# Allegro board 8880F5-0827_6.brd (continued)
## Routing (per net, layer and track width the routed paths; a pad name or vN(x,y) marks a point on that pad's centre or on a via; arc(x,y) is an arc through that point) (continued)
; D102.B2 309.88,82.09 ; D102.B2 309.88,80.47 ; D102.B2 309.07,81.28 ; D102.B2 310.69,81.28 ; 416.56,32.21 D108.A15 ; D108.A15 417.37,33.02 ; D108.A15 416.56,33.83 ; D108.A15 415.75,33.02 ; D127.A11 38.1,54.15 ; D127.A11 38.1,52.53 ; D127.A11 37.29,53.34 ; D127.A11 38.91,53.34 ; D119.A7 176.07,53.34 ; D119.A7 175.26,52.53 ; D119.A7 174.45,53.34 ; D119.A7 175.26,54.15 ; D104.B3 313.23,38.1 ; D104.B3 312.42,38.91 ; D104.B3 312.42,37.29 ; D104.B3 311.61,38.1 ; D131.A11 112.57,53.34 ; D131.A11 111.76,52.53 ; D131.A11 110.95,53.34 ; D131.A11 111.76,54.15 ; D102.B6 320.04,82.09 ; D102.B6 320.85,81.28 ; D102.B6 319.23,81.28 ; D102.B6 320.04,80.47 ; D109.A12 393.7,333.55 ; D109.A12 393.7,331.93 ; D109.A12 392.89,332.74 ; D109.A12 394.51,332.74 ; D321.B16 271.78,92.15 ; D321.B16 272.49,91.44 ; D321.B16 271.07,91.44 ; D321.B16 271.78,90.73 ; 332.33,187.45 SITE4.G11 ; SITE4.G11 332.33,188.41 ; SITE4.G11 331.85,187.93 ; SITE4.G11 332.81,187.93 ; 331.93,53.34 D103.A11 ; D103.A11 332.74,54.15 ; D103.A11 333.55,53.34 ; D103.A11 332.74,52.53 ; 193.04,34.75 D120.A14 ; D120.A14 192.23,35.56 ; D120.A14 193.04,36.37 ; D120.A14 193.85,35.56 ; D116.A13 317.5,397.05 ; D116.A13 318.31,396.24 ; D116.A13 317.5,395.43 ; D116.A13 316.69,396.24 ; D115.B14 315.77,368.3 ; D115.B14 314.96,367.49 ; D115.B14 314.96,369.11 ; D115.B14 314.15,368.3 ; D118.B4 167.64,82.09 ; D118.B4 166.83,81.28 ; D118.B4 167.64,80.47 ; D118.B4 168.45,81.28 ; D116.B11 322.58,391.97 ; D116.B11 323.39,391.16 ; D116.B11 321.77,391.16 ; D116.B11 322.58,390.35 ; 19.51,76.2 D126.A4 ; D126.A4 21.13,76.2 ; D126.A4 20.32,77.01 ; D126.A4 20.32,75.39 ; 393.7,39.83 D108.B6 ; D108.B6 392.89,40.64 ; D108.B6 393.7,41.45 ; D108.B6 394.51,40.64 ; SITE1.G16 252.63,243.31 ; SITE1.G16 252.63,242.35 ; SITE1.G16 252.15,242.83 ; SITE1.G16 253.11,242.83 ; D108.A9 401.32,33.83 ; D108.A9 400.51,33.02 ; D108.A9 402.13,33.02 ; D108.A9 401.32,32.21 ; D103.B9 328.47,58.42 ; D103.B9 327.66,59.23 ; D103.B9 326.85,58.42 ; D103.B9 327.66,57.61 ; D132.B14 120.19,40.64 ; D132.B14 119.38,39.83 ; D132.B14 119.38,41.45 ; D132.B14 118.57,40.64 ; D120.B1 160.83,38.1 ; D120.B1 159.21,38.1 ; D120.B1 160.02,38.91 ; D120.B1 160.02,37.29 ; D116.B12 320.04,389.43 ; D116.B12 320.85,388.62 ; D116.B12 320.04,387.81 ; D116.B12 319.23,388.62 ; D322.A13 264.16,64.21 ; D322.A13 263.45,63.5 ; D322.A13 264.87,63.5 ; D322.A13 264.16,62.79 ; D109.B1 422.45,330.2 ; D109.B1 421.64,331.01 ; D109.B1 420.83,330.2 ; D109.B1 421.64,329.39 ; D111.B8 404.67,368.3 ; D111.B8 403.86,367.49 ; D111.B8 403.05,368.3 ; D111.B8 403.86,369.11 ; D431.B9 180.34,381.81 ; D431.B9 179.53,381 ; D431.B9 181.15,381 ; D431.B9 180.34,380.19 ; 253.33,240.85 SITE1.G6 ; SITE1.G6 253.33,241.81 ; SITE1.G6 253.81,241.33 ; SITE1.G6 252.85,241.33 ; D111.B4 414.83,368.3 ; D111.B4 414.02,369.11 ; D111.B4 413.21,368.3 ; D111.B4 414.02,367.49 ; 314.15,393.7 D116.A14 ; D116.A14 314.96,392.89 ; D116.A14 315.77,393.7 ; D116.A14 314.96,394.51 ; D103.A3 312.42,54.15 ; D103.A3 311.61,53.34 ; D103.A3 312.42,52.53 ; D103.A3 313.23,53.34 ; 187.15,35.56 D120.A12 ; D120.A12 187.96,34.75 ; D120.A12 187.96,36.37 ; D120.A12 188.77,35.56 ; D306.A11 407.11,63.5 ; D306.A11 406.4,62.79 ; D306.A11 406.4,64.21 ; D306.A11 405.69,63.5 ; D115.B11 323.39,370.84 ; D115.B11 322.58,371.65 ; D115.B11 321.77,370.84 ; D115.B11 322.58,370.03 ; D116.A1 347.98,397.05 ; D116.A1 348.79,396.24 ; D116.A1 347.17,396.24 ; D116.A1 347.98,395.43 ; D317.A16 198.83,86.36 ; D317.A16 198.12,85.65 ; D317.A16 198.12,87.07 ; D317.A16 197.41,86.36 ; D127.A13 43.99,53.34 ; D127.A13 43.18,54.15 ; D127.A13 43.18,52.53 ; D127.A13 42.37,53.34 ; 32.21,73.66 D126.A9 ; D126.A9 33.02,72.85 ; D126.A9 33.83,73.66 ; D126.A9 33.02,74.47 ; D111.A12 394.51,373.38 ; D111.A12 393.7,372.57 ; D111.A12 393.7,374.19 ; D111.A12 392.89,373.38 ; 30.48,80.47 D126.B8 ; D126.B8 30.48,82.09 ; D126.B8 29.67,81.28 ; D126.B8 31.29,81.28 ; D115.A5 338.63,375.92 ; D115.A5 337.82,376.73 ; D115.A5 337.01,375.92 ; D115.A5 337.82,375.11 ; 320.04,392.89 D116.A12 ; D116.A12 320.04,394.51 ; D116.A12 319.23,393.7 ; D116.A12 320.85,393.7 ; D128.A1 12.7,33.83 ; D128.A1 12.7,32.21 ; D128.A1 11.89,33.02 ; D128.A1 13.51,33.02 ; SITE1.G4 251.81,241.33 ; SITE1.G4 251.33,241.81 ; SITE1.G4 250.85,241.33 ; SITE1.G4 251.33,240.85 ; D104.A7 322.58,33.83 ; D104.A7 321.77,33.02 ; D104.A7 323.39,33.02 ; D104.A7 322.58,32.21 ; CSDPS225.C1 274.32,331.01 ; CSDPS225.C1 273.51,330.2 ; CSDPS225.C1 274.32,329.39 ; CSDPS225.C1 275.13,330.2 ; 159.21,386.08 D431.A17 ; D431.A17 160.83,386.08 ; D431.A17 160.02,385.27 ; D431.A17 160.02,386.89 ; D116.B1 348.79,391.16 ; D116.B1 347.17,391.16 ; D116.B1 347.98,390.35 ; D116.B1 347.98,391.97 ; D125.A2 16.05,96.52 ; D125.A2 14.43,96.52 ; D125.A2 15.24,95.71 ; D125.A2 15.24,97.33 ; 337.01,370.84 D115.B5 ; D115.B5 337.82,370.03 ; D115.B5 338.63,370.84 ; D115.B5 337.82,371.65 ; 334.57,66.04 D302.A12 ; D302.A12 335.99,66.04 ; D302.A12 335.28,66.75 ; D302.A12 335.28,65.33 ; D122.B5 244.65,78.74 ; D122.B5 243.84,79.55 ; D122.B5 243.03,78.74 ; D122.B5 243.84,77.93 ; D317.B13 190.5,89.61 ; D317.B13 190.5,88.19 ; D317.B13 191.21,88.9 ; D317.B13 189.79,88.9 ; D113.B16 310.69,327.66 ; D113.B16 309.07,327.66 ; D113.B16 309.88,326.85 ; D113.B16 309.88,328.47 ; D111.B10 398.78,369.11 ; D111.B10 397.97,368.3 ; D111.B10 398.78,367.49 ; D111.B10 399.59,368.3 ; D113.B15 312.42,331.01 ; D113.B15 313.23,330.2 ; D113.B15 312.42,329.39 ; D113.B15 311.61,330.2 ; 388.62,34.75 D108.A4 ; D108.A4 388.62,36.37 ; D108.A4 389.43,35.56 ; D108.A4 387.81,35.56 ; 319.23,332.74 D113.A12 ; D113.A12 320.85,332.74 ; D113.A12 320.04,331.93 ; D113.A12 320.04,333.55 ; D120.A7 175.26,33.83 ; D120.A7 176.07,33.02 ; D120.A7 175.26,32.21 ; D120.A7 174.45,33.02 ; SITE3.G4 251.81,181.33 ; SITE3.G4 251.33,181.81 ; SITE3.G4 250.85,181.33 ; SITE3.G4 251.33,180.85 ; D102.B16 345.44,82.09 ; D102.B16 344.63,81.28 ; D102.B16 346.25,81.28 ; D102.B16 345.44,80.47 ; 385.27,330.2 D109.B15 ; D109.B15 386.89,330.2 ; D109.B15 386.08,329.39 ; D109.B15 386.08,331.01 ; D123.B6 247.19,60.96 ; D123.B6 245.57,60.96 ; D123.B6 246.38,61.77 ; D123.B6 246.38,60.15 ; D115.A9 327.66,376.73 ; D115.A9 328.47,375.92 ; D115.A9 326.85,375.92 ; D115.A9 327.66,375.11 ; 332.15,246.43 SITE2.G20 ; SITE2.G20 332.63,246.91 ; SITE2.G20 332.63,245.95 ; SITE2.G20 333.11,246.43 ; 169.37,375.92 D231.A13 ; D231.A13 170.18,375.11 ; D231.A13 170.18,376.73 ; D231.A13 170.99,375.92 ; 189.79,68.58 D318.B13 ; D318.B13 191.21,68.58 ; D318.B13 190.5,69.29 ; D318.B13 190.5,67.87 ; 390.35,19.05 DPS1.C05 ; DPS1.C05 391.16,18.24 ; DPS1.C05 391.97,19.05 ; DPS1.C05 391.16,19.86 ; 259.08,72.85 D122.A11 ; D122.A11 259.89,73.66 ; D122.A11 259.08,74.47 ; D122.A11 258.27,73.66 ; D305.A12 409.65,86.36 ; D305.A12 408.94,85.65 ; D305.A12 408.23,86.36 ; D305.A12 408.94,87.07 ; 248.85,241.33 SITE1.G2 ; SITE1.G2 249.33,240.85 ; SITE1.G2 249.33,241.81 ; SITE1.G2 249.81,241.33 ; 334.47,81.28 D102.B12 ; D102.B12 335.28,80.47 ; D102.B12 336.09,81.28 ; D102.B12 335.28,82.09 ; 238.76,62.79 D322.A3 ; D322.A3 238.05,63.5 ; D322.A3 239.47,63.5 ; D322.A3 238.76,64.21 ; 252.15,186.43 SITE3.G20 ; SITE3.G20 252.63,185.95 ; SITE3.G20 252.63,186.91 ; SITE3.G20 253.11,186.43 ; D301.B6 320.04,92.15 ; D301.B6 319.33,91.44 ; D301.B6 320.04,90.73 ; D301.B6 320.75,91.44 ; D431.B16 163.37,378.46 ; D431.B16 161.75,378.46 ; D431.B16 162.56,377.65 ; D431.B16 162.56,379.27 ; 411.48,329.39 D109.B5 ; D109.B5 411.48,331.01 ; D109.B5 410.67,330.2 ; D109.B5 412.29,330.2 ; 269.24,13.16 DPS3.A15 ; DPS3.A15 270.05,13.97 ; DPS3.A15 268.43,13.97 ; DPS3.A15 269.24,14.78 ; 327.66,52.53 D103.A9 ; D103.A9 328.47,53.34 ; D103.A9 326.85,53.34 ; D103.A9 327.66,54.15 ; 172.01,91.44 D317.B6 ; D317.B6 173.43,91.44 ; D317.B6 172.72,90.73 ; D317.B6 172.72,92.15 ; 256.54,34.75 D124.A10 ; D124.A10 255.73,35.56 ; D124.A10 257.35,35.56 ; D124.A10 256.54,36.37 ; 17.78,93.17 D125.A3 ; D125.A3 18.59,93.98 ; D125.A3 16.97,93.98 ; D125.A3 17.78,94.79 ; 392.89,353.06 D110.A12 ; D110.A12 393.7,352.25 ; D110.A12 393.7,353.87 ; D110.A12 394.51,353.06 ; D318.A12 187.96,66.75 ; D318.A12 188.67,66.04 ; D318.A12 187.25,66.04 ; D318.A12 187.96,65.33 ; D125.B9 33.02,99.87 ; D125.B9 32.21,99.06 ; D125.B9 33.02,98.25 ; D125.B9 33.83,99.06 ; 415.75,73.66 D106.A15 ; D106.A15 416.56,72.85 ; D106.A15 416.56,74.47 ; D106.A15 417.37,73.66 ; 162.56,85.65 D317.A2 ; D317.A2 162.56,87.07 ; D317.A2 163.27,86.36 ; D317.A2 161.85,86.36 ; D102.B1 307.34,79.55 ; D102.B1 307.34,77.93 ; D102.B1 308.15,78.74 ; D102.B1 306.53,78.74 ; D110.B3 417.37,350.52 ; D110.B3 416.56,351.33 ; D110.B3 415.75,350.52 ; D110.B3 416.56,349.71 ; D123.B11 259.89,58.42 ; D123.B11 258.27,58.42 ; D123.B11 259.08,59.23 ; D123.B11 259.08,57.61 ; D305.A10 403.86,87.07 ; D305.A10 403.86,85.65 ; D305.A10 404.57,86.36 ; D305.A10 403.15,86.36 ; D119.B15 196.39,58.42 ; D119.B15 195.58,57.61 ; D119.B15 195.58,59.23 ; D119.B15 194.77,58.42 ; D126.B3 18.59,78.74 ; D126.B3 17.78,77.93 ; D126.B3 16.97,78.74 ; D126.B3 17.78,79.55 ; 331.93,330.2 D113.B7 ; D113.B7 333.55,330.2 ; D113.B7 332.74,331.01 ; D113.B7 332.74,329.39 ; 185.42,370.03 D231.B7 ; D231.B7 186.23,370.84 ; D231.B7 184.61,370.84 ; D231.B7 185.42,371.65 ; 182.88,75.39 D118.A10 ; D118.A10 182.88,77.01 ; D118.A10 183.69,76.2 ; D118.A10 182.07,76.2 ; D305.A16 419.1,87.07 ; D305.A16 418.39,86.36 ; D305.A16 419.1,85.65 ; D305.A16 419.81,86.36 ; D107.B14 414.83,60.96 ; D107.B14 413.21,60.96 ; D107.B14 414.02,61.77 ; D107.B14 414.02,60.15 ; D125.B15 49.07,99.06 ; D125.B15 48.26,98.25 ; D125.B15 47.45,99.06 ; D125.B15 48.26,99.87 ; 176.99,76.2 D118.A8 ; D118.A8 177.8,75.39 ; D118.A8 178.61,76.2 ; D118.A8 177.8,77.01 ; D102.A3 313.23,73.66 ; D102.A3 311.61,73.66 ; D102.A3 312.42,72.85 ; D102.A3 312.42,74.47 ; D129.B13 117.65,99.06 ; D129.B13 116.84,99.87 ; D129.B13 116.84,98.25 ; D129.B13 116.03,99.06 ; D120.B6 173.53,40.64 ; D120.B6 172.72,39.83 ; D120.B6 172.72,41.45 ; D120.B6 171.91,40.64 ; D130.A5 96.52,74.47 ; D130.A5 97.33,73.66 ; D130.A5 95.71,73.66 ; D130.A5 96.52,72.85 ; D120.A15 196.39,33.02 ; D120.A15 195.58,33.83 ; D120.A15 195.58,32.21 ; D120.A15 194.77,33.02 ; 110.95,93.98 D129.A11 ; D129.A11 112.57,93.98 ; D129.A11 111.76,93.17 ; D129.A11 111.76,94.79 ; 172.72,372.57 D231.A12 ; D231.A12 171.91,373.38 ; D231.A12 173.53,373.38 ; D231.A12 172.72,374.19 ; 249.33,180.85 SITE3.G2 ; SITE3.G2 248.85,181.33 ; SITE3.G2 249.81,181.33 ; SITE3.G2 249.33,181.81 ; D104.B12 335.28,41.45 ; D104.B12 336.09,40.64 ; D104.B12 335.28,39.83 ; D104.B12 334.47,40.64 ; 388.62,372.57 D111.A14 ; D111.A14 389.43,373.38 ; D111.A14 387.81,373.38 ; D111.A14 388.62,374.19 ; 396.24,83.11 D305.A7 ; D305.A7 396.24,84.53 ; D305.A7 396.95,83.82 ; D305.A7 395.53,83.82 ; D122.A3 238.76,74.47 ; D122.A3 239.57,73.66 ; D122.A3 238.76,72.85 ; D122.A3 237.95,73.66 ; D102.B11 332.74,79.55 ; D102.B11 331.93,78.74 ; D102.B11 332.74,77.93 ; D102.B11 333.55,78.74 ; D106.B14 414.83,81.28 ; D106.B14 413.21,81.28 ; D106.B14 414.02,82.09 ; D106.B14 414.02,80.47 ; 383.54,39.83 D108.B2 ; D108.B2 382.73,40.64 ; D108.B2 384.35,40.64 ; D108.B2 383.54,41.45 ; D114.B8 331.01,347.98 ; D114.B8 329.39,347.98 ; D114.B8 330.2,348.79 ; D114.B8 330.2,347.17 ; DPS1.C01 381.81,19.05 ; DPS1.C01 381,19.86 ; DPS1.C01 381,18.24 ; DPS1.C01 380.19,19.05 ; D111.B2 419.1,369.11 ; D111.B2 419.91,368.3 ; D111.B2 418.29,368.3 ; D111.B2 419.1,367.49 ; D431.A9 180.34,386.89 ; D431.A9 179.53,386.08 ; D431.A9 180.34,385.27 ; D431.A9 181.15,386.08 ; D129.B7 102.41,99.06 ; D129.B7 101.6,98.25 ; D129.B7 100.79,99.06 ; D129.B7 101.6,99.87 ; D112.B14 389.43,388.62 ; D112.B14 387.81,388.62 ; D112.B14 388.62,389.43 ; D112.B14 388.62,387.81 ; D129.A10 110.03,96.52 ; D129.A10 109.22,95.71 ; D129.A10 108.41,96.52 ; D129.A10 109.22,97.33 ; D302.A1 307.34,64.21 ; D302.A1 308.05,63.5 ; D302.A1 307.34,62.79 ; D302.A1 306.63,63.5 ; 309.88,387.81 D116.B16 ; D116.B16 309.88,389.43 ; D116.B16 309.07,388.62 ; D116.B16 310.69,388.62 ; 172.01,86.36 D317.A6 ; D317.A6 172.72,85.65 ; D317.A6 172.72,87.07 ; D317.A6 173.43,86.36 ; 344.63,347.98 D114.B2 ; D114.B2 345.44,347.17 ; D114.B2 346.25,347.98 ; D114.B2 345.44,348.79 ; D106.A4 388.62,77.01 ; D106.A4 388.62,75.39 ; D106.A4 389.43,76.2 ; D106.A4 387.81,76.2 ; D321.B10 256.54,92.15 ; D321.B10 255.83,91.44 ; D321.B10 256.54,90.73 ; D321.B10 257.25,91.44 ; 166.83,40.64 D120.B4 ; D120.B4 167.64,41.45 ; D120.B4 167.64,39.83 ; D120.B4 168.45,40.64 ; 237.95,33.02 D124.A3 ; D124.A3 238.76,32.21 ; D124.A3 238.76,33.83 ; D124.A3 239.57,33.02 ; 311.61,415.29 DPS2.A15 ; DPS2.A15 312.42,416.1 ; DPS2.A15 312.42,414.48 ; DPS2.A15 313.23,415.29 ; D132.B2 88.9,41.45 ; D132.B2 88.9,39.83 ; D132.B2 89.71,40.64 ; D132.B2 88.09,40.64 ; 396.24,390.35 D112.B11 ; D112.B11 397.05,391.16 ; D112.B11 395.43,391.16 ; D112.B11 396.24,391.97 ; 331.85,181.33 SITE4.G5 ; SITE4.G5 332.33,180.85 ; SITE4.G5 332.33,181.81 ; SITE4.G5 332.81,181.33 ; D130.A1 86.36,74.47 ; D130.A1 87.17,73.66 ; D130.A1 85.55,73.66 ; D130.A1 86.36,72.85 ; D132.B5 96.52,38.91 ; D132.B5 96.52,37.29 ; D132.B5 95.71,38.1 ; D132.B5 97.33,38.1 ; 114.3,80.47 D130.B12 ; D130.B12 115.11,81.28 ; D130.B12 114.3,82.09 ; D130.B12 113.49,81.28 ; 200.66,375.11 D231.A1 ; D231.A1 201.47,375.92 ; D231.A1 200.66,376.73 ; D231.A1 199.85,375.92 ; 169.37,33.02 D120.A5 ; D120.A5 170.18,33.83 ; D120.A5 170.99,33.02 ; D120.A5 170.18,32.21 ; 104.14,39.83 D132.B8 ; D132.B8 104.14,41.45 ; D132.B8 103.33,40.64 ; D132.B8 104.95,40.64 ; 25.4,39.83 D128.B6 ; D128.B6 26.21,40.64 ; D128.B6 24.59,40.64 ; D128.B6 25.4,41.45 ; D123.A3 238.76,54.15 ; D123.A3 237.95,53.34 ; D123.A3 239.57,53.34 ; D123.A3 238.76,52.53 ; 197.31,35.56 D120.A16 ; D120.A16 198.12,36.37 ; D120.A16 198.12,34.75 ; D120.A16 198.93,35.56 ; 123.65,96.52 D129.A16 ; D129.A16 124.46,97.33 ; D129.A16 124.46,95.71 ; D129.A16 125.27,96.52 ; 33.02,57.61 D127.B9 ; D127.B9 32.21,58.42 ; D127.B9 33.83,58.42 ; D127.B9 33.02,59.23 ; D109.A2 419.1,333.55 ; D109.A2 419.1,331.93 ; D109.A2 418.29,332.74 ; D109.A2 419.91,332.74 ; 386.08,349.71 D110.B15 ; D110.B15 385.27,350.52 ; D110.B15 386.89,350.52 ; D110.B15 386.08,351.33 ; D102.A7 322.58,74.47 ; D102.A7 321.77,73.66 ; D102.A7 322.58,72.85 ; D102.A7 323.39,73.66 ; 390.35,13.97 DPS1.A05 ; DPS1.A05 391.16,14.78 ; DPS1.A05 391.97,13.97 ; DPS1.A05 391.16,13.16 ; D129.B4 93.98,102.41 ; D129.B4 94.79,101.6 ; D129.B4 93.98,100.79 ; D129.B4 93.17,101.6 ; D322.A8 252.17,66.04 ; D322.A8 251.46,65.33 ; D322.A8 251.46,66.75 ; D322.A8 250.75,66.04 ; 391.16,67.87 D306.B5 ; D306.B5 391.16,69.29 ; D306.B5 391.87,68.58 ; D306.B5 390.45,68.58 ; D119.B4 168.45,60.96 ; D119.B4 167.64,60.15 ; D119.B4 167.64,61.77 ; D119.B4 166.83,60.96 ; D114.A3 342.9,356.41 ; D114.A3 342.09,355.6 ; D114.A3 343.71,355.6 ; D114.A3 342.9,354.79 ; 248.11,58.42 D123.B7 ; D123.B7 248.92,57.61 ; D123.B7 249.73,58.42 ; D123.B7 248.92,59.23 ; D107.B10 403.86,61.77 ; D107.B10 404.67,60.96 ; D107.B10 403.86,60.15 ; D107.B10 403.05,60.96 ; 329.33,240.85 SITE2.G2 ; SITE2.G2 328.85,241.33 ; SITE2.G2 329.33,241.81 ; SITE2.G2 329.81,241.33 ; D111.B9 402.13,370.84 ; D111.B9 400.51,370.84 ; D111.B9 401.32,370.03 ; D111.B9 401.32,371.65 ; 390.35,38.1 D108.B5 ; D108.B5 391.16,37.29 ; D108.B5 391.97,38.1 ; D108.B5 391.16,38.91 ; D322.B15 269.95,68.58 ; D322.B15 268.53,68.58 ; D322.B15 269.24,69.29 ; D322.B15 269.24,67.87 ; 182.88,90.73 D317.B10 ; D317.B10 182.17,91.44 ; D317.B10 183.59,91.44 ; D317.B10 182.88,92.15 ; D431.A8 183.69,383.54 ; D431.A8 182.07,383.54 ; D431.A8 182.88,382.73 ; D431.A8 182.88,384.35 ; 172.72,382.73 D431.A12 ; D431.A12 172.72,384.35 ; D431.A12 173.53,383.54 ; D431.A12 171.91,383.54 ; D131.B14 119.38,61.77 ; D131.B14 120.19,60.96 ; D131.B14 118.57,60.96 ; D131.B14 119.38,60.15 ; 317.5,67.87 D302.B5 ; D302.B5 317.5,69.29 ; D302.B5 318.21,68.58 ; D302.B5 316.79,68.58 ; 116.84,57.61 D131.B13 ; D131.B13 117.65,58.42 ; D131.B13 116.84,59.23 ; D131.B13 116.03,58.42 ; D113.A6 336.09,332.74 ; D113.A6 335.28,333.55 ; D113.A6 335.28,331.93 ; D113.A6 334.47,332.74 ; 385.27,38.1 D108.B3 ; D108.B3 386.08,37.29 ; D108.B3 386.08,38.91 ; D108.B3 386.89,38.1 ; D112.B8 403.86,389.43 ; D112.B8 404.67,388.62 ; D112.B8 403.86,387.81 ; D112.B8 403.05,388.62 ; 114.3,39.83 D132.B12 ; D132.B12 114.3,41.45 ; D132.B12 115.11,40.64 ; D132.B12 113.49,40.64 ; 159.31,68.58 D318.B1 ; D318.B1 160.02,67.87 ; D318.B1 160.02,69.29 ; D318.B1 160.73,68.58 ; D118.B9 181.15,78.74 ; D118.B9 180.34,77.93 ; D118.B9 179.53,78.74 ; D118.B9 180.34,79.55 ; D132.A7 102.41,33.02 ; D132.A7 101.6,33.83 ; D132.A7 101.6,32.21 ; D132.A7 100.79,33.02 ; D302.A15 343.61,63.5 ; D302.A15 342.9,64.21 ; D302.A15 342.19,63.5 ; D302.A15 342.9,62.79 ; D108.B7 397.05,38.1 ; D108.B7 396.24,38.91 ; D108.B7 396.24,37.29 ; D108.B7 395.43,38.1 ; D127.B14 46.53,60.96 ; D127.B14 45.72,60.15 ; D127.B14 44.91,60.96 ; D127.B14 45.72,61.77 ; D118.B13 190.5,79.55 ; D118.B13 190.5,77.93 ; D118.B13 191.31,78.74 ; D118.B13 189.69,78.74 ; 397.97,76.2 D106.A8 ; D106.A8 398.78,77.01 ; D106.A8 398.78,75.39 ; D106.A8 399.59,76.2 ; 248.11,73.66 D122.A7 ; D122.A7 248.92,72.85 ; D122.A7 249.73,73.66 ; D122.A7 248.92,74.47 ; 398.78,392.89 D112.A10 ; D112.A10 397.97,393.7 ; D112.A10 398.78,394.51 ; D112.A10 399.59,393.7 ; 97.04,204.6 U1.4 ; U1.4 96.1,205.54 ; U1.4 97.98,205.54 ; U1.4 97.04,206.48 ; SITE1.G1 248.81,241.33 ; SITE1.G1 248.33,240.85 ; SITE1.G1 247.85,241.33 ; SITE1.G1 248.33,241.81 ; D123.B14 267.51,60.96 ; D123.B14 266.7,60.15 ; D123.B14 266.7,61.77 ; D123.B14 265.89,60.96 ; D109.B9 402.13,330.2 ; D109.B9 401.32,331.01 ; D109.B9 401.32,329.39 ; D109.B9 400.51,330.2 ; 306.63,68.58 D302.B1 ; D302.B1 307.34,67.87 ; D302.B1 308.05,68.58 ; D302.B1 307.34,69.29 ; D108.B12 409.75,40.64 ; D108.B12 408.94,39.83 ; D108.B12 408.13,40.64 ; D108.B12 408.94,41.45 ; D132.A3 92.25,33.02 ; D132.A3 91.44,32.21 ; D132.A3 91.44,33.83 ; D132.A3 90.63,33.02 ; D128.A15 49.07,33.02 ; D128.A15 48.26,32.21 ; D128.A15 47.45,33.02 ; D128.A15 48.26,33.83 ; 96.2,219.15 U2.4 ; U2.4 97.14,220.09 ; U2.4 97.14,218.21 ; U2.4 98.08,219.15 ; D321.A4 242.01,86.36 ; D321.A4 241.3,87.07 ; D321.A4 240.59,86.36 ; D321.A4 241.3,85.65 ; 160.02,62.79 D318.A1 ; D318.A1 160.73,63.5 ; D318.A1 159.31,63.5 ; D318.A1 160.02,64.21 ; D306.A2 383.54,66.75 ; D306.A2 383.54,65.33 ; D306.A2 382.83,66.04 ; D306.A2 384.25,66.04 ; 251.43,242.35 SITE1.G15 ; SITE1.G15 251.43,243.31 ; SITE1.G15 251.91,242.83 ; SITE1.G15 250.95,242.83 ; D431.A16 163.37,383.54 ; D431.A16 162.56,382.73 ; D431.A16 161.75,383.54 ; D431.A16 162.56,384.35 ; 103.33,81.28 D130.B8 ; D130.B8 104.95,81.28 ; D130.B8 104.14,82.09 ; D130.B8 104.14,80.47 ; D122.A13 264.16,74.47 ; D122.A13 264.16,72.85 ; D122.A13 263.35,73.66 ; D122.A13 264.97,73.66 ; D125.A10 36.37,96.52 ; D125.A10 35.56,95.71 ; D125.A10 34.75,96.52 ; D125.A10 35.56,97.33 ; 380.19,58.42 D107.B1 ; D107.B1 381,57.61 ; D107.B1 381,59.23 ; D107.B1 381.81,58.42 ; 406.4,77.93 D106.B11 ; D106.B11 407.21,78.74 ; D106.B11 406.4,79.55 ; D106.B11 405.59,78.74 ; 265.89,81.28 D122.B14 ; D122.B14 267.51,81.28 ; D122.B14 266.7,80.47 ; D122.B14 266.7,82.09 ; 40.64,55.07 D127.A12 ; D127.A12 41.45,55.88 ; D127.A12 40.64,56.69 ; D127.A12 39.83,55.88 ; D132.A15 121.92,33.83 ; D132.A15 121.92,32.21 ; D132.A15 121.11,33.02 ; D132.A15 122.73,33.02 ; D132.A5 96.52,33.83 ; D132.A5 97.33,33.02 ; D132.A5 95.71,33.02 ; D132.A5 96.52,32.21 ; 99.06,60.15 D131.B6 ; D131.B6 98.25,60.96 ; D131.B6 99.87,60.96 ; D131.B6 99.06,61.77 ; 192.23,342.9 CSDPS429.B4 ; CSDPS429.B4 193.85,342.9 ; CSDPS429.B4 193.04,342.09 ; CSDPS429.B4 193.04,343.71 ; 111.76,98.25 D129.B11 ; D129.B11 112.57,99.06 ; D129.B11 111.76,99.87 ; D129.B11 110.95,99.06 ; 335.28,347.17 D114.B6 ; D114.B6 336.09,347.98 ; D114.B6 335.28,348.79 ; D114.B6 334.47,347.98 ; 396.24,375.11 D111.A11 ; D111.A11 395.43,375.92 ; D111.A11 397.05,375.92 ; D111.A11 396.24,376.73 ; D125.A11 38.91,93.98 ; D125.A11 37.29,93.98 ; D125.A11 38.1,94.79 ; D125.A11 38.1,93.17 ; D231.A17 160.83,375.92 ; D231.A17 160.02,375.11 ; D231.A17 160.02,376.73 ; D231.A17 159.21,375.92 ; 397.97,81.28 D106.B8 ; D106.B8 398.78,82.09 ; D106.B8 399.59,81.28 ; D106.B8 398.78,80.47 ; 306.53,73.66 D102.A1 ; D102.A1 307.34,72.85 ; D102.A1 308.15,73.66 ; D102.A1 307.34,74.47 ; D321.B5 244.55,88.9 ; D321.B5 243.84,89.61 ; D321.B5 243.84,88.19 ; D321.B5 243.13,88.9 ; D120.B2 163.37,40.64 ; D120.B2 161.75,40.64 ; D120.B2 162.56,39.83 ; D120.B2 162.56,41.45 ; D123.A5 243.84,54.15 ; D123.A5 244.65,53.34 ; D123.A5 243.03,53.34 ; D123.A5 243.84,52.53 ; 392.99,86.36 D305.A6 ; D305.A6 393.7,87.07 ; D305.A6 393.7,85.65 ; D305.A6 394.41,86.36 ; D113.A9 328.47,335.28 ; D113.A9 327.66,334.47 ; D113.A9 327.66,336.09 ; D113.A9 326.85,335.28 ; DPS8.A15 165.91,415.29 ; DPS8.A15 164.29,415.29 ; DPS8.A15 165.1,416.1 ; DPS8.A15 165.1,414.48 ; 347.98,370.03 D115.B1 ; D115.B1 348.79,370.84 ; D115.B1 347.98,371.65 ; D115.B1 347.17,370.84 ; D129.B5 96.52,99.87 ; D129.B5 97.33,99.06 ; D129.B5 95.71,99.06 ; D129.B5 96.52,98.25 ; 30.48,60.15 D127.B8 ; D127.B8 29.67,60.96 ; D127.B8 30.48,61.77 ; D127.B8 31.29,60.96 ; 185.42,67.87 D318.B11 ; D318.B11 184.71,68.58 ; D318.B11 186.13,68.58 ; D318.B11 185.42,69.29 ; D107.B12 408.94,61.77 ; D107.B12 408.94,60.15 ; D107.B12 408.13,60.96 ; D107.B12 409.75,60.96 ; D108.A6 394.51,35.56 ; D108.A6 393.7,36.37 ; D108.A6 392.89,35.56 ; D108.A6 393.7,34.75 ; 197.31,60.96 D119.B16 ; D119.B16 198.12,60.15 ; D119.B16 198.93,60.96 ; D119.B16 198.12,61.77 ; D110.B10 398.78,348.79 ; D110.B10 399.59,347.98 ; D110.B10 397.97,347.98 ; D110.B10 398.78,347.17 ; 187.96,342.09 CSDPS429.B6 ; CSDPS429.B6 187.15,342.9 ; CSDPS429.B6 188.77,342.9 ; CSDPS429.B6 187.96,343.71 ; 123.65,40.64 D132.B16 ; D132.B16 125.27,40.64 ; D132.B16 124.46,39.83 ; D132.B16 124.46,41.45 ; 391.16,77.93 D106.B5 ; D106.B5 391.16,79.55 ; D106.B5 391.97,78.74 ; D106.B5 390.35,78.74 ; 159.21,73.66 D118.A1 ; D118.A1 160.83,73.66 ; D118.A1 160.02,72.85 ; D118.A1 160.02,74.47 ; 382.73,327.66 D109.B16 ; D109.B16 383.54,326.85 ; D109.B16 383.54,328.47 ; D109.B16 384.35,327.66 ; 187.96,382.73 D431.A6 ; D431.A6 187.15,383.54 ; D431.A6 188.77,383.54 ; D431.A6 187.96,384.35 ; 12.7,37.29 D128.B1 ; D128.B1 11.89,38.1 ; D128.B1 13.51,38.1 ; D128.B1 12.7,38.91 ; D122.B8 251.46,82.09 ; D122.B8 250.65,81.28 ; D122.B8 252.27,81.28 ; D122.B8 251.46,80.47 ; D110.A1 421.64,356.41 ; D110.A1 421.64,354.79 ; D110.A1 420.83,355.6 ; D110.A1 422.45,355.6 ; 43.18,98.25 D125.B13 ; D125.B13 42.37,99.06 ; D125.B13 43.18,99.87 ; D125.B13 43.99,99.06 ; 37.29,38.1 D128.B11 ; D128.B11 38.1,38.91 ; D128.B11 38.91,38.1 ; D128.B11 38.1,37.29 ; 263.45,88.9 D321.B13 ; D321.B13 264.16,89.61 ; D321.B13 264.16,88.19 ; D321.B13 264.87,88.9 ; 345.44,331.93 D113.A2 ; D113.A2 346.25,332.74 ; D113.A2 345.44,333.55 ; D113.A2 344.63,332.74 ; D305.A2 383.54,87.07 ; D305.A2 384.25,86.36 ; D305.A2 382.83,86.36 ; D305.A2 383.54,85.65 ; 396.24,370.03 D111.B11 ; D111.B11 395.43,370.84 ; D111.B11 397.05,370.84 ; D111.B11 396.24,371.65 ; D122.A16 272.59,76.2 ; D122.A16 271.78,75.39 ; D122.A16 270.97,76.2 ; D122.A16 271.78,77.01 ; 238.76,339.55 CSDPS425.C15 ; CSDPS425.C15 237.95,340.36 ; CSDPS425.C15 239.57,340.36 ; CSDPS425.C15 238.76,341.17 ; D431.B8 183.69,378.46 ; D431.B8 182.88,379.27 ; D431.B8 182.07,378.46 ; D431.B8 182.88,377.65 ; D301.B1 307.34,89.61 ; D301.B1 307.34,88.19 ; D301.B1 306.63,88.9 ; D301.B1 308.05,88.9 ; 91.44,72.85 D130.A3 ; D130.A3 92.25,73.66 ; D130.A3 91.44,74.47 ; D130.A3 90.63,73.66 ; SITE2.G11 332.81,247.93 ; SITE2.G11 331.85,247.93 ; SITE2.G11 332.33,248.41 ; SITE2.G11 332.33,247.45 ; 309.07,353.06 D114.A16 ; D114.A16 309.88,352.25 ; D114.A16 309.88,353.87 ; D114.A16 310.69,353.06 ; D431.B6 188.77,378.46 ; D431.B6 187.15,378.46 ; D431.B6 187.96,377.65 ; D431.B6 187.96,379.27 ; D102.A5 317.5,74.47 ; D102.A5 316.69,73.66 ; D102.A5 318.31,73.66 ; D102.A5 317.5,72.85 ; D305.B14 414.73,91.44 ; D305.B14 414.02,92.15 ; D305.B14 414.02,90.73 ; D305.B14 413.31,91.44 ; 420.83,396.24 D112.A1 ; D112.A1 421.64,397.05 ; D112.A1 422.45,396.24 ; D112.A1 421.64,395.43 ; D317.A4 167.64,87.07 ; D317.A4 168.35,86.36 ; D317.A4 166.93,86.36 ; D317.A4 167.64,85.65 ; 405.59,13.97 DPS1.A11 ; DPS1.A11 407.21,13.97 ; DPS1.A11 406.4,14.78 ; DPS1.A11 406.4,13.16 ; D129.A8 104.14,97.33 ; D129.A8 104.95,96.52 ; D129.A8 104.14,95.71 ; D129.A8 103.33,96.52 ; D302.B11 333.45,68.58 ; D302.B11 332.03,68.58 ; D302.B11 332.74,69.29 ; D302.B11 332.74,67.87 ; D104.B4 314.96,41.45 ; D104.B4 314.15,40.64 ; D104.B4 315.77,40.64 ; D104.B4 314.96,39.83 ; 114.3,34.75 D132.A12 ; D132.A12 113.49,35.56 ; D132.A12 114.3,36.37 ; D132.A12 115.11,35.56 ; D112.A15 386.08,397.05 ; D112.A15 386.08,395.43 ; D112.A15 386.89,396.24 ; D112.A15 385.27,396.24 ; CSDPS229.B16 163.37,332.74 ; CSDPS229.B16 161.75,332.74 ; CSDPS229.B16 162.56,331.93 ; CSDPS229.B16 162.56,333.55 ; 162.56,60.15 D119.B2 ; D119.B2 161.75,60.96 ; D119.B2 162.56,61.77 ; D119.B2 163.37,60.96 ; D102.B13 338.63,78.74 ; D102.B13 337.82,79.55 ; D102.B13 337.82,77.93 ; D102.B13 337.01,78.74 ; D317.A1 160.02,84.53 ; D317.A1 159.31,83.82 ; D317.A1 160.73,83.82 ; D317.A1 160.02,83.11 ; SITE2.G16 333.11,242.83 ; SITE2.G16 332.63,243.31 ; SITE2.G16 332.15,242.83 ; SITE2.G16 332.63,242.35 ; CSDPS425.B6 262.43,342.9 ; CSDPS425.B6 261.62,343.71 ; CSDPS425.B6 260.81,342.9 ; CSDPS425.B6 261.62,342.09 ; 408.23,91.44 D305.B12 ; D305.B12 408.94,90.73 ; D305.B12 408.94,92.15 ; D305.B12 409.65,91.44 ; 182.17,71.12 D318.B10 ; D318.B10 183.59,71.12 ; D318.B10 182.88,70.41 ; D318.B10 182.88,71.83 ; 254,329.39 CSDPS225.C9 ; CSDPS225.C9 254.81,330.2 ; CSDPS225.C9 254,331.01 ; CSDPS225.C9 253.19,330.2 ; 248.92,52.53 D123.A7 ; D123.A7 248.92,54.15 ; D123.A7 249.73,53.34 ; D123.A7 248.11,53.34 ; 347.17,335.28 D113.A1 ; D113.A1 347.98,334.47 ; D113.A1 347.98,336.09 ; D113.A1 348.79,335.28 ; D118.A5 170.99,73.66 ; D118.A5 169.37,73.66 ; D118.A5 170.18,74.47 ; D118.A5 170.18,72.85 ; D114.B5 337.82,351.33 ; D114.B5 337.82,349.71 ; D114.B5 337.01,350.52 ; D114.B5 338.63,350.52 ; 93.98,34.75 D132.A4 ; D132.A4 94.79,35.56 ; D132.A4 93.17,35.56 ; D132.A4 93.98,36.37 ; D129.A5 97.33,93.98 ; D129.A5 96.52,93.17 ; D129.A5 95.71,93.98 ; D129.A5 96.52,94.79 ; 263.35,78.74 D122.B13 ; D122.B13 264.97,78.74 ; D122.B13 264.16,77.93 ; D122.B13 264.16,79.55 ; 325.12,55.07 D103.A8 ; D103.A8 324.31,55.88 ; D103.A8 325.93,55.88 ; D103.A8 325.12,56.69 ; D107.A15 416.56,54.15 ; D107.A15 415.75,53.34 ; D107.A15 417.37,53.34 ; D107.A15 416.56,52.53 ; D104.A12 336.09,35.56 ; D104.A12 334.47,35.56 ; D104.A12 335.28,34.75 ; D104.A12 335.28,36.37 ; UNK4U1.4 482.59,186.05 ; UNK4U1.4 481.65,185.11 ; UNK4U1.4 482.59,184.17 ; UNK4U1.4 483.53,185.11 ; D114.A11 322.58,356.41 ; D114.A11 323.39,355.6 ; D114.A11 321.77,355.6 ; D114.A11 322.58,354.79 ; 398.07,66.04 D306.A8 ; D306.A8 399.49,66.04 ; D306.A8 398.78,66.75 ; D306.A8 398.78,65.33 ; D116.A9 328.47,396.24 ; D116.A9 327.66,397.05 ; D116.A9 326.85,396.24 ; D116.A9 327.66,395.43 ; 481.55,171.51 UNK4U2.4 ; UNK4U2.4 482.49,170.56 ; UNK4U2.4 482.49,172.45 ; UNK4U2.4 483.43,171.51 ; 391.16,390.35 D112.B13 ; D112.B13 391.97,391.16 ; D112.B13 390.35,391.16 ; D112.B13 391.16,391.97 ; D108.B15 417.37,38.1 ; D108.B15 416.56,37.29 ; D108.B15 416.56,38.91 ; D108.B15 415.75,38.1 ; D301.B16 345.44,92.15 ; D301.B16 346.15,91.44 ; D301.B16 345.44,90.73 ; D301.B16 344.73,91.44 ; 235.41,35.56 D124.A2 ; D124.A2 236.22,36.37 ; D124.A2 236.22,34.75 ; D124.A2 237.03,35.56 ; D431.B3 195.58,381.81 ; D431.B3 196.39,381 ; D431.B3 194.77,381 ; D431.B3 195.58,380.19 ; 329.85,241.33 SITE2.G3 ; SITE2.G3 330.81,241.33 ; SITE2.G3 330.33,240.85 ; SITE2.G3 330.33,241.81 ; 95.71,78.74 D130.B5 ; D130.B5 96.52,77.93 ; D130.B5 96.52,79.55 ; D130.B5 97.33,78.74 ; D120.B9 180.34,38.91 ; D120.B9 181.15,38.1 ; D120.B9 179.53,38.1 ; D120.B9 180.34,37.29 ; D431.A3 196.39,386.08 ; D431.A3 194.77,386.08 ; D431.A3 195.58,385.27 ; D431.A3 195.58,386.89 ; D118.B1 160.83,78.74 ; D118.B1 160.02,77.93 ; D118.B1 160.02,79.55 ; D118.B1 159.21,78.74 ; 251.43,245.95 SITE1.G19 ; SITE1.G19 250.95,246.43 ; SITE1.G19 251.43,246.91 ; SITE1.G19 251.91,246.43 ; D132.B7 101.6,38.91 ; D132.B7 101.6,37.29 ; D132.B7 100.79,38.1 ; D132.B7 102.41,38.1 ; D123.B8 252.27,60.96 ; D123.B8 251.46,61.77 ; D123.B8 251.46,60.15 ; D123.B8 250.65,60.96 ; D317.B5 170.89,88.9 ; D317.B5 169.47,88.9 ; D317.B5 170.18,89.61 ; D317.B5 170.18,88.19 ; 174.45,410.21 DPS8.C11 ; DPS8.C11 175.26,409.4 ; DPS8.C11 176.07,410.21 ; DPS8.C11 175.26,411.02 ; D125.A8 30.48,97.33 ; D125.A8 29.67,96.52 ; D125.A8 30.48,95.71 ; D125.A8 31.29,96.52 ; D129.A14 120.19,96.52 ; D129.A14 119.38,95.71 ; D129.A14 118.57,96.52 ; D129.A14 119.38,97.33 ; D318.B3 165.1,69.29 ; D318.B3 165.81,68.58 ; D318.B3 165.1,67.87 ; D318.B3 164.39,68.58 ; D112.B2 419.91,388.62 ; D112.B2 419.1,387.81 ; D112.B2 419.1,389.43 ; D112.B2 418.29,388.62 ; 252.15,182.83 SITE3.G16 ; SITE3.G16 252.63,182.35 ; SITE3.G16 253.11,182.83 ; SITE3.G16 252.63,183.31 ; D231.B5 190.5,371.65 ; D231.B5 190.5,370.03 ; D231.B5 189.69,370.84 ; D231.B5 191.31,370.84 ; D106.B10 404.67,81.28 ; D106.B10 403.86,82.09 ; D106.B10 403.05,81.28 ; D106.B10 403.86,80.47 ; 243.84,83.11 D321.A5 ; D321.A5 244.55,83.82 ; D321.A5 243.84,84.53 ; D321.A5 243.13,83.82 ; 161.75,35.56 D120.A2 ; D120.A2 162.56,36.37 ; D120.A2 162.56,34.75 ; D120.A2 163.37,35.56 ; D102.A15 343.71,73.66 ; D102.A15 342.09,73.66 ; D102.A15 342.9,72.85 ; D102.A15 342.9,74.47 ; D130.B1 86.36,79.55 ; D130.B1 87.17,78.74 ; D130.B1 85.55,78.74 ; D130.B1 86.36,77.93 ; 342.9,83.11 D301.A15 ; D301.A15 343.61,83.82 ; D301.A15 342.19,83.82 ; D301.A15 342.9,84.53 ; 245.57,81.28 D122.B6 ; D122.B6 247.19,81.28 ; D122.B6 246.38,82.09 ; D122.B6 246.38,80.47 ; 330.2,367.49 D115.B8 ; D115.B8 329.39,368.3 ; D115.B8 331.01,368.3 ; D115.B8 330.2,369.11 ; D123.B16 271.78,61.77 ; D123.B16 272.59,60.96 ; D123.B16 271.78,60.15 ; D123.B16 270.97,60.96 ; D302.A13 338.53,63.5 ; D302.A13 337.11,63.5 ; D302.A13 337.82,62.79 ; D302.A13 337.82,64.21 ; D122.B7 248.92,79.55 ; D122.B7 248.11,78.74 ; D122.B7 249.73,78.74 ; D122.B7 248.92,77.93 ; 198.12,90.73 D317.B16 ; D317.B16 198.83,91.44 ; D317.B16 198.12,92.15 ; D317.B16 197.41,91.44 ; D114.B4 341.17,347.98 ; D114.B4 340.36,348.79 ; D114.B4 340.36,347.17 ; D114.B4 339.55,347.98 ; 241.3,90.73 D321.B4 ; D321.B4 241.3,92.15 ; D321.B4 242.01,91.44 ; D321.B4 240.59,91.44 ; D302.A16 346.15,66.04 ; D302.A16 345.44,65.33 ; D302.A16 344.73,66.04 ; D302.A16 345.44,66.75 ; D132.B3 91.44,38.91 ; D132.B3 91.44,37.29 ; D132.B3 90.63,38.1 ; D132.B3 92.25,38.1 ; 324.41,71.12 D302.B8 ; D302.B8 325.83,71.12 ; D302.B8 325.12,70.41 ; D302.B8 325.12,71.83 ; 309.88,55.07 D103.A2 ; D103.A2 310.69,55.88 ; D103.A2 309.07,55.88 ; D103.A2 309.88,56.69 ; 93.17,96.52 D129.A4 ; D129.A4 93.98,95.71 ; D129.A4 93.98,97.33 ; D129.A4 94.79,96.52 ; D306.A13 411.48,64.21 ; D306.A13 411.48,62.79 ; D306.A13 412.19,63.5 ; D306.A13 410.77,63.5 ; D111.A9 402.13,375.92 ; D111.A9 400.51,375.92 ; D111.A9 401.32,376.73 ; D111.A9 401.32,375.11 ; 385.27,58.42 D107.B3 ; D107.B3 386.08,57.61 ; D107.B3 386.08,59.23 ; D107.B3 386.89,58.42 ; D322.A1 233.68,64.21 ; D322.A1 234.39,63.5 ; D322.A1 233.68,62.79 ; D322.A1 232.97,63.5 ; D302.B15 343.61,68.58 ; D302.B15 342.9,69.29 ; D302.B15 342.19,68.58 ; D302.B15 342.9,67.87 ; 396.24,57.61 D107.B7 ; D107.B7 397.05,58.42 ; D107.B7 395.43,58.42 ; D107.B7 396.24,59.23 ; 166.83,383.54 D431.A14 ; D431.A14 167.64,384.35 ; D431.A14 168.45,383.54 ; D431.A14 167.64,382.73 ; D126.A13 43.99,73.66 ; D126.A13 43.18,72.85 ; D126.A13 42.37,73.66 ; D126.A13 43.18,74.47 ; 307.34,52.53 D103.A1 ; D103.A1 308.15,53.34 ; D103.A1 306.53,53.34 ; D103.A1 307.34,54.15 ; D130.B15 121.92,79.55 ; D130.B15 121.92,77.93 ; D130.B15 121.11,78.74 ; D130.B15 122.73,78.74 ; D112.A13 391.16,397.05 ; D112.A13 391.16,395.43 ; D112.A13 390.35,396.24 ; D112.A13 391.97,396.24 ; 335.28,60.15 D103.B12 ; D103.B12 335.28,61.77 ; D103.B12 334.47,60.96 ; D103.B12 336.09,60.96 ; 385.27,78.74 D106.B3 ; D106.B3 386.89,78.74 ; D106.B3 386.08,79.55 ; D106.B3 386.08,77.93 ; 189.79,83.82 D317.A13 ; D317.A13 191.21,83.82 ; D317.A13 190.5,84.53 ; D317.A13 190.5,83.11 ; D322.A15 269.24,64.21 ; D322.A15 269.95,63.5 ; D322.A15 268.53,63.5 ; D322.A15 269.24,62.79 ; SITE2.G1 328.81,241.33 ; SITE2.G1 328.33,241.81 ; SITE2.G1 328.33,240.85 ; SITE2.G1 327.85,241.33 ; D131.A8 104.95,55.88 ; D131.A8 104.14,56.69 ; D131.A8 104.14,55.07 ; D131.A8 103.33,55.88 ; D321.A7 249.63,83.82 ; D321.A7 248.92,83.11 ; D321.A7 248.21,83.82 ; D321.A7 248.92,84.53 ; 199.85,330.2 CSDPS229.C1 ; CSDPS229.C1 200.66,329.39 ; CSDPS229.C1 200.66,331.01 ; CSDPS229.C1 201.47,330.2 ; 19.51,40.64 D128.B4 ; D128.B4 20.32,39.83 ; D128.B4 20.32,41.45 ; D128.B4 21.13,40.64 ; 39.83,60.96 D127.B12 ; D127.B12 40.64,61.77 ; D127.B12 40.64,60.15 ; D127.B12 41.45,60.96 ; CSDPS429.B14 168.45,342.9 ; CSDPS429.B14 167.64,342.09 ; CSDPS429.B14 166.83,342.9 ; CSDPS429.B14 167.64,343.71 ; D109.A9 402.13,335.28 ; D109.A9 401.32,334.47 ; D109.A9 400.51,335.28 ; D109.A9 401.32,336.09 ; D129.A6 99.06,97.33 ; D129.A6 98.25,96.52 ; D129.A6 99.06,95.71 ; D129.A6 99.87,96.52 ; 37.29,33.02 D128.A11 ; D128.A11 38.1,33.83 ; D128.A11 38.1,32.21 ; D128.A11 38.91,33.02 ; 27.94,98.25 D125.B7 ; D125.B7 28.75,99.06 ; D125.B7 27.13,99.06 ; D125.B7 27.94,99.87 ; D118.A9 181.15,73.66 ; D118.A9 179.53,73.66 ; D118.A9 180.34,74.47 ; D118.A9 180.34,72.85 ; CSDPS229.C7 186.23,330.2 ; CSDPS229.C7 184.61,330.2 ; CSDPS229.C7 185.42,329.39 ; CSDPS229.C7 185.42,331.01 ; D120.A13 191.31,33.02 ; D120.A13 190.5,32.21 ; D120.A13 190.5,33.83 ; D120.A13 189.69,33.02 ; 174.45,340.36 CSDPS429.C11 ; CSDPS429.C11 175.26,341.17 ; CSDPS429.C11 175.26,339.55 ; CSDPS429.C11 176.07,340.36 ; 96.52,57.61 D131.B5 ; D131.B5 97.33,58.42 ; D131.B5 96.52,59.23 ; D131.B5 95.71,58.42 ; 268.43,53.34 D123.A15 ; D123.A15 269.24,54.15 ; D123.A15 269.24,52.53 ; D123.A15 270.05,53.34 ; D116.A5 338.63,396.24 ; D116.A5 337.01,396.24 ; D116.A5 337.82,395.43 ; D116.A5 337.82,397.05 ; 320.04,372.57 D115.A12 ; D115.A12 320.85,373.38 ; D115.A12 319.23,373.38 ; D115.A12 320.04,374.19 ; 331.43,245.95 SITE2.G19 ; SITE2.G19 331.43,246.91 ; SITE2.G19 330.95,246.43 ; SITE2.G19 331.91,246.43 ; D322.B11 259.79,68.58 ; D322.B11 259.08,69.29 ; D322.B11 258.37,68.58 ; D322.B11 259.08,67.87 ; D103.B15 342.9,59.23 ; D103.B15 342.9,57.61 ; D103.B15 342.09,58.42 ; D103.B15 343.71,58.42 ; 103.33,35.56 D132.A8 ; D132.A8 104.14,34.75 ; D132.A8 104.95,35.56 ; D132.A8 104.14,36.37 ; 328.33,180.85 SITE4.G1 ; SITE4.G1 328.81,181.33 ; SITE4.G1 327.85,181.33 ; SITE4.G1 328.33,181.81 ; D317.B4 167.64,92.15 ; D317.B4 167.64,90.73 ; D317.B4 168.35,91.44 ; D317.B4 166.93,91.44 ; D318.A2 163.27,66.04 ; D318.A2 162.56,66.75 ; D318.A2 161.85,66.04 ; D318.A2 162.56,65.33 ; D113.A8 331.01,332.74 ; D113.A8 330.2,333.55 ; D113.A8 330.2,331.93 ; D113.A8 329.39,332.74 ; D113.B10 325.93,327.66 ; D113.B10 325.12,328.47 ; D113.B10 324.31,327.66 ; D113.B10 325.12,326.85 ; 90.63,99.06 D129.B3 ; D129.B3 91.44,99.87 ; D129.B3 92.25,99.06 ; D129.B3 91.44,98.25 ; S2_I2C.4 504.95,204.39 ; S2_I2C.4 504.01,203.45 ; S2_I2C.4 504.95,202.51 ; S2_I2C.4 505.89,203.45 ; 398.78,90.73 D305.B8 ; D305.B8 399.49,91.44 ; D305.B8 398.07,91.44 ; D305.B8 398.78,92.15 ; 98.25,76.2 D130.A6 ; D130.A6 99.06,77.01 ; D130.A6 99.87,76.2 ; D130.A6 99.06,75.39 ; 388.62,347.17 D110.B14 ; D110.B14 388.62,348.79 ; D110.B14 389.43,347.98 ; D110.B14 387.81,347.98 ; D129.A13 116.84,94.79 ; D129.A13 116.84,93.17 ; D129.A13 116.03,93.98 ; D129.A13 117.65,93.98 ; 324.31,332.74 D113.A10 ; D113.A10 325.12,333.55 ; D113.A10 325.12,331.93 ; D113.A10 325.93,332.74 ; 189.69,73.66 D118.A13 ; D118.A13 191.31,73.66 ; D118.A13 190.5,74.47 ; D118.A13 190.5,72.85 ; 414.02,347.17 D110.B4 ; D110.B4 413.21,347.98 ; D110.B4 414.02,348.79 ; D110.B4 414.83,347.98 ; 88.9,34.75 D132.A2 ; D132.A2 89.71,35.56 ; D132.A2 88.9,36.37 ; D132.A2 88.09,35.56 ; D110.B7 406.4,351.33 ; D110.B7 405.59,350.52 ; D110.B7 406.4,349.71 ; D110.B7 407.21,350.52 ; D129.B14 120.19,101.6 ; D129.B14 119.38,102.41 ; D129.B14 119.38,100.79 ; D129.B14 118.57,101.6 ; 34.75,35.56 D128.A10 ; D128.A10 35.56,36.37 ; D128.A10 36.37,35.56 ; D128.A10 35.56,34.75 ; 165.1,339.55 CSDPS429.C15 ; CSDPS429.C15 165.91,340.36 ; CSDPS429.C15 165.1,341.17 ; CSDPS429.C15 164.29,340.36 ; 408.94,80.47 D106.B12 ; D106.B12 409.75,81.28 ; D106.B12 408.94,82.09 ; D106.B12 408.13,81.28 ; 311.61,33.02 D104.A3 ; D104.A3 312.42,32.21 ; D104.A3 312.42,33.83 ; D104.A3 313.23,33.02 ; 330.85,181.33 SITE4.G4 ; SITE4.G4 331.33,180.85 ; SITE4.G4 331.33,181.81 ; SITE4.G4 331.81,181.33 ; 416.56,77.93 D106.B15 ; D106.B15 416.56,79.55 ; D106.B15 415.75,78.74 ; D106.B15 417.37,78.74 ; 88.09,81.28 D130.B2 ; D130.B2 88.9,80.47 ; D130.B2 89.71,81.28 ; D130.B2 88.9,82.09 ; CSDPS229.C11 176.07,330.2 ; CSDPS229.C11 175.26,331.01 ; CSDPS229.C11 175.26,329.39 ; CSDPS229.C11 174.45,330.2 ; 165.1,380.19 D431.B15 ; D431.B15 164.29,381 ; D431.B15 165.1,381.81 ; D431.B15 165.91,381 ; D131.A9 106.68,54.15 ; D131.A9 107.49,53.34 ; D131.A9 105.87,53.34 ; D131.A9 106.68,52.53 ; 320.04,326.85 D113.B12 ; D113.B12 320.85,327.66 ; D113.B12 319.23,327.66 ; D113.B12 320.04,328.47 ; CSDPS425.B4 267.51,342.9 ; CSDPS425.B4 266.7,343.71 ; CSDPS425.B4 266.7,342.09 ; CSDPS425.B4 265.89,342.9 ; 177.8,331.93 CSDPS229.B10 ; CSDPS229.B10 177.8,333.55 ; CSDPS229.B10 178.61,332.74 ; CSDPS229.B10 176.99,332.74 ; 170.18,83.11 D317.A5 ; D317.A5 170.89,83.82 ; D317.A5 170.18,84.53 ; D317.A5 169.47,83.82 ; 259.08,13.16 DPS3.A11 ; DPS3.A11 259.89,13.97 ; DPS3.A11 259.08,14.78 ; DPS3.A11 258.27,13.97 ; SITE3.G17 249.03,186.91 ; SITE3.G17 249.51,186.43 ; SITE3.G17 248.55,186.43 ; SITE3.G17 249.03,185.95 ; 198.12,65.33 D318.A16 ; D318.A16 197.41,66.04 ; D318.A16 198.83,66.04 ; D318.A16 198.12,66.75 ; D113.B5 338.63,330.2 ; D113.B5 337.01,330.2 ; D113.B5 337.82,329.39 ; D113.B5 337.82,331.01 ; D107.B15 417.37,58.42 ; D107.B15 416.56,59.23 ; D107.B15 415.75,58.42 ; D107.B15 416.56,57.61 ; D317.A15 195.58,84.53 ; D317.A15 195.58,83.11 ; D317.A15 196.29,83.82 ; D317.A15 194.87,83.82 ; D231.A7 185.42,376.73 ; D231.A7 184.61,375.92 ; D231.A7 186.23,375.92 ; D231.A7 185.42,375.11 ; 413.21,327.66 D109.B4 ; D109.B4 414.83,327.66 ; D109.B4 414.02,326.85 ; D109.B4 414.02,328.47 ; D130.A4 93.98,77.01 ; D130.A4 93.98,75.39 ; D130.A4 94.79,76.2 ; D130.A4 93.17,76.2 ; D118.A2 163.37,76.2 ; D118.A2 162.56,77.01 ; D118.A2 161.75,76.2 ; D118.A2 162.56,75.39 ; 396.24,349.71 D110.B11 ; D110.B11 395.43,350.52 ; D110.B11 397.05,350.52 ; D110.B11 396.24,351.33 ; 403.05,332.74 D109.A8 ; D109.A8 403.86,331.93 ; D109.A8 404.67,332.74 ; D109.A8 403.86,333.55 ; D114.B12 320.85,347.98 ; D114.B12 320.04,348.79 ; D114.B12 320.04,347.17 ; D114.B12 319.23,347.98 ; D123.B4 242.11,60.96 ; D123.B4 241.3,61.77 ; D123.B4 240.49,60.96 ; D123.B4 241.3,60.15 ; D109.A4 414.83,332.74 ; D109.A4 413.21,332.74 ; D109.A4 414.02,333.55 ; D109.A4 414.02,331.93 ; D106.A5 391.97,73.66 ; D106.A5 390.35,73.66 ; D106.A5 391.16,74.47 ; D106.A5 391.16,72.85 ; 30.48,34.75 D128.A8 ; D128.A8 30.48,36.37 ; D128.A8 29.67,35.56 ; D128.A8 31.29,35.56 ; 408.23,71.12 D306.B12 ; D306.B12 409.65,71.12 ; D306.B12 408.94,70.41 ; D306.B12 408.94,71.83 ; 15.24,100.79 D125.B2 ; D125.B2 14.43,101.6 ; D125.B2 16.05,101.6 ; D125.B2 15.24,102.41 ; D123.A8 251.46,56.69 ; D123.A8 250.65,55.88 ; D123.A8 252.27,55.88 ; D123.A8 251.46,55.07 ; 177.8,65.33 D318.A8 ; D318.A8 178.51,66.04 ; D318.A8 177.8,66.75 ; D318.A8 177.09,66.04 ; 400.51,73.66 D106.A9 ; D106.A9 402.13,73.66 ; D106.A9 401.32,72.85 ; D106.A9 401.32,74.47 ; 246.38,55.07 D123.A6 ; D123.A6 246.38,56.69 ; D123.A6 247.19,55.88 ; D123.A6 245.57,55.88 ; D317.A9 180.34,84.53 ; D317.A9 179.63,83.82 ; D317.A9 180.34,83.11 ; D317.A9 181.05,83.82 ; 418.29,60.96 D107.B16 ; D107.B16 419.91,60.96 ; D107.B16 419.1,60.15 ; D107.B16 419.1,61.77 ; D130.A7 102.41,73.66 ; D130.A7 101.6,72.85 ; D130.A7 100.79,73.66 ; D130.A7 101.6,74.47 ; 403.86,372.57 D111.A8 ; D111.A8 404.67,373.38 ; D111.A8 403.05,373.38 ; D111.A8 403.86,374.19 ; D305.A9 401.32,84.53 ; D305.A9 402.03,83.82 ; D305.A9 400.61,83.82 ; D305.A9 401.32,83.11 ; SITE3.G10 251.33,188.41 ; SITE3.G10 250.85,187.93 ; SITE3.G10 251.33,187.45 ; SITE3.G10 251.81,187.93 ; 253.29,63.5 D322.A9 ; D322.A9 